# Altium PCB HLib-MBoard1.PcbDoc (part 2 of 2)
Units mil, origin at the board's own origin, x right, y up, seen from the top; angles counter-clockwise.
Board outline 4000.62 x 2451.24 mil, 2 copper layers (Top Layer, Bottom Layer), stack 65.792 mil thick; 130 components, 125 nets, 444 pads, 159 vias.
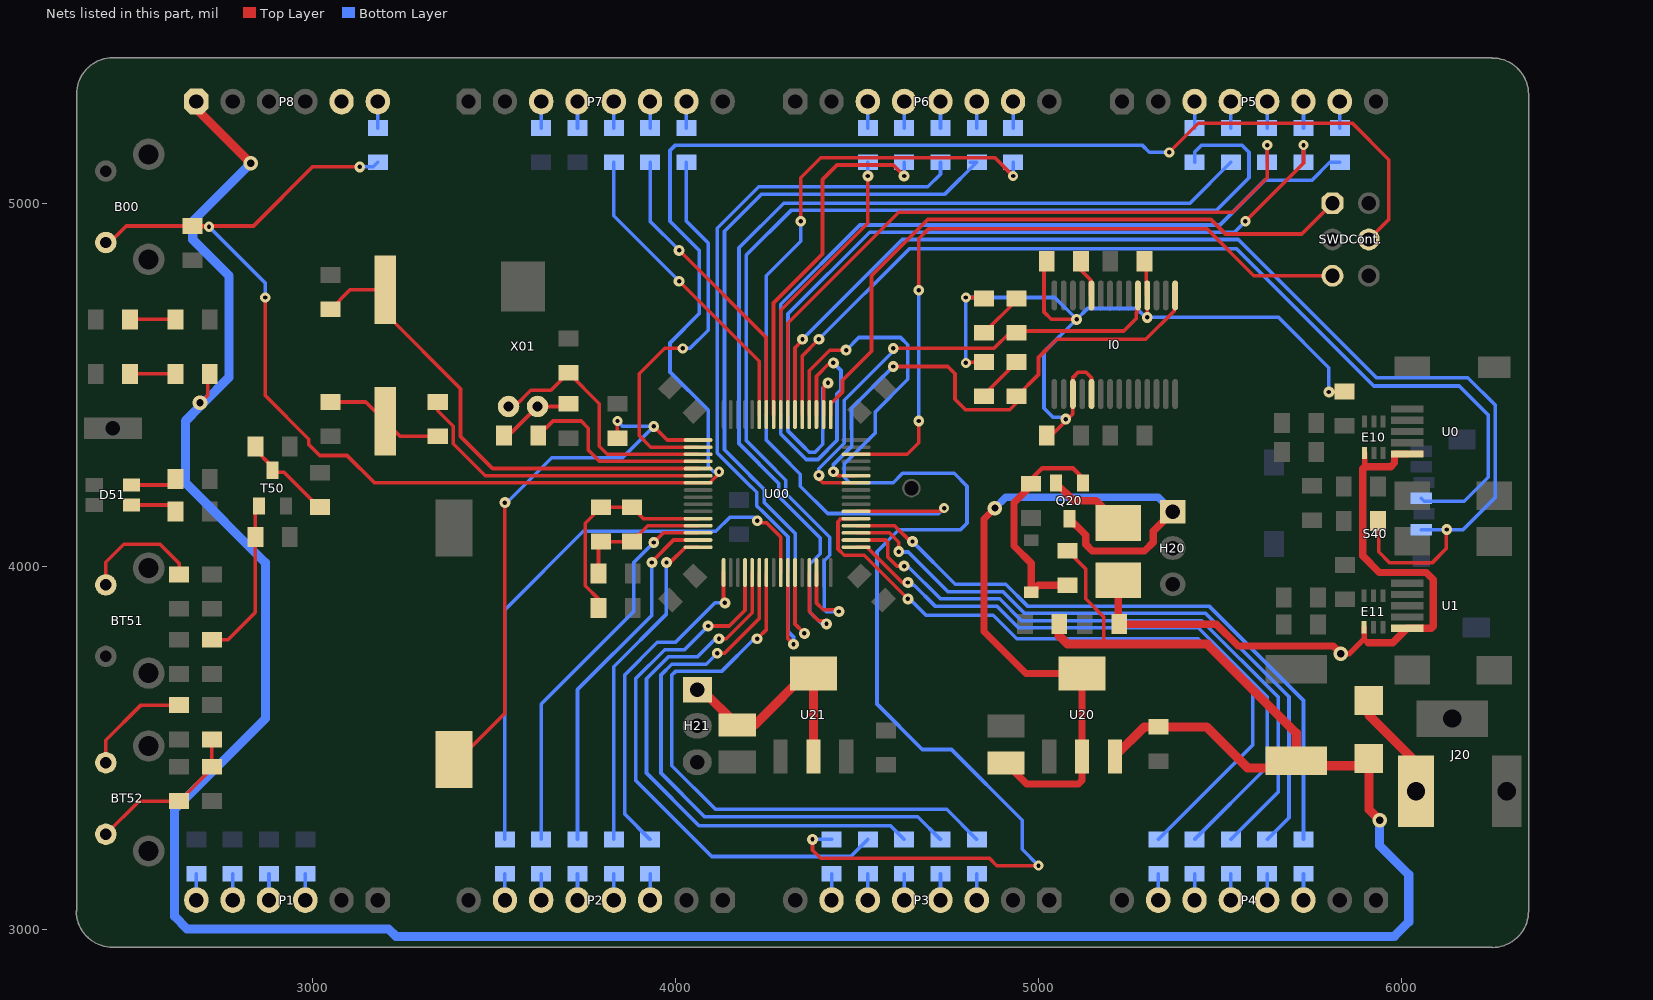
[diagram p2: the nets of this part, all layers, seen from the top]

## Via types
v1: diameter 28, hole 12, Top Layer to Bottom Layer, tented both sides, 80 vias
v2: diameter 30, hole 12, Top Layer to Bottom Layer, tented both sides, 59 vias
v3: diameter 40, hole 20, Top Layer to Bottom Layer, tented both sides, 10 vias
v4: diameter 196.85, hole 118.11, Top Layer to Bottom Layer, tented both sides, 4 vias
v5: diameter 47.24, hole 39.37, Top Layer to Bottom Layer, 4 vias
v6: diameter 70.87, hole 59.06, Top Layer to Bottom Layer, 1 vias
v7: diameter 59.06, hole 47.24, Top Layer to Bottom Layer, 1 vias

## Nets (pads, with @x,y where several pads share a name; then routed paths per layer and width w, separated by ;. In a path a pad name is that pad's centre, name@x,y a point inside that pad or via, vN(x,y) a via of type N, cw(c..) or ccw(c..) an arc to the next point about the centre after c; other vN are vias at no path point) (continued)
I2S_MCLK: R329.1 U00.37 | length 1948.7
  Top Layer w10: U00.37@4497.52,4131.1 4456.1,4131.1 4447.64,4122.64 4447.64,4047.36 4465,4030 4520,4030 v2(4640,3910)
  Bottom Layer w10: v2@4635.5,3905.5 4649.5,3905.5 4690,3865 4875,3865 4940,3800 5440,3800 5590,3650 5590,3507.24 R329.1@5330,3247.24
"IO1 (ADC)": R332.1 U00.25 | length 1618.6
  Top Layer w10: v1(4225,4125) 4230,4120 4250,4120 4289.84,4080.16 U00.25@4289.84,3982.48
  Bottom Layer w10: R332.1@3530,3247.24 3530,3880 3746,4096 4111,4096 4150,4135 4215,4135 v1(4225,4125)
"IO1 (ANTI-TAMPER)": R335.1 U00.2 | length 1073.1
  Top Layer w10: v1(4020,4600) 3970,4600 3900,4530 3900,4360 3932.05,4327.95 U00.2@4062.48,4327.95
  Bottom Layer w10: v1(4020,4600) 4040,4600 4090,4650 4090,4890 4030,4950 R335.1@4030,5112.76
"IO1 (P3)": R333.1 U00.52 | length 3447.3
  Top Layer w10: U00.52@4368.58,4417.52 4368.58,4538.58 4425,4595 v2(4470,4595) ; v2(4377.24,3247.24) 4377.24,3217.76 4400,3195 4865,3195 4885,3175 v1(5000,3175)
  Bottom Layer w10: v2(4377.24,3247.24) R333.1@4430,3247.24 ; v2(4470,4595) 4505,4630 4620,4630 4640,4610 4640,4515 4550,4425 4550,4366.72 4465,4281.72 4465,4245 4480,4230 4600,4230 4625.59,4255.59 4767.69,4255.59 4803,4220.28 4803,4118 4785,4100 4615,4100 4555,4040 4555,3620 4680,3495 4760.36,3495 4955,3300.36 4955,3220 v1(5000,3175)
"IO1 (P6)": R334.1 U00.38 | length 2273.9
  Top Layer w10: v1(4345,4950) 4345,5070 4400,5125 4880,5125 v1(4930,5075) ; U00.38@4497.52,4150.79 4730.79,4150.79 v1(4740,4160)
  Bottom Layer w10: v1(4345,4950) 4345,4895 4250,4800 4250,4347.72 4290,4307.72 4290,4307.38 4344,4253.38 4344,4220.29 4419.29,4145 4725,4145 v1(4740,4160) ; v1(4930,5075) R334.1@4930,5112.76
IO1/TM2_CH2: R314.1 U00.55 | length 1875.6
  Top Layer w10: U00.55@4309.53,4417.52 4309.53,4669.53 4615,4975 5535,4975 5630,5070 v1(5630,5160)
  Bottom Layer w10: R314.1@5630,5112.76 v1(5630,5160)
IO2/TM2_CH1: R315.1 U00.50 | length 2408.5
  Top Layer w10: U00.50@4407.95,4417.52 4407.95,4492.95 v2(4420,4505) ; v1(5570,4950) 5730,5110 v1(5730,5160)
  Bottom Layer w10: v2(4420,4505) 4406.01,4491.01 4406.01,4335.86 4384.15,4314 4368.23,4314 4350,4332.23 4350,4332.57 4310,4372.57 4310,4695 4535,4920 5540,4920 v1(5570,4950) ; R315.1@5730,5112.76 v1(5730,5160)
"IO3 (P5)": R330.1 U00.51 | length 2660
  Top Layer w10: U00.51@4388.27,4417.52 4388.27,4523.27 4425,4560 v2(4435,4560)
  Bottom Layer w10: v2(4435,4560) 4456,4539 4456,4485.99 4445,4474.99 4445,4346.57 4392.43,4294 4359.94,4294 4330,4323.94 4330,4324.29 4290,4364.29 4290,4721.87 4508.13,4940 5500,4940 5622.76,5062.76 5752.76,5062.76 5802.76,5112.76 R330.1@5830,5112.76
NetBt00_1: Bt00.1 C05.2 U00.1 | length 1561.4
  Top Layer w10: Bt00.1@3390,3466.93 3401.93,3466.93 3530,3595 v2(3530,4175) ; C05.2@3840,4352.76 v1(3840,4400) ; v2(3940,4385) 3977.36,4347.64 U00.1@4062.48,4347.64
  Bottom Layer w10: v2(3530,4175) 3535,4175 3659,4299 3854,4299 v2(3940,4385) 3855,4385 v1(3840,4400)
NetBT51_1: BT51.1 R512.2 | length 336.6
  Top Layer w10: BT51.1@2430.63,3948.43 2430.63,4010.63 2480,4060 2580,4060 2632.76,4007.24 R512.2@2632.76,3977.24
NetBT52_1: BT52.1 R510.2 | length 304.3
  Top Layer w10: BT52.1@2430.63,3458.43 2430.63,3520.63 2527.24,3617.24 R510.2@2632.76,3617.24
NetBT52_2: BT52.2 C53.2 R59.1 R511.1 | length 447.2
  Top Layer w10: BT52.2@2430.63,3261.57 2521.81,3352.76 C53.2@2632.76,3352.76 2722.76,3442.76 R59.1@2722.76,3447.24 R511.1@2722.76,3522.76
NetC09_2: C09.2 U00.5 X02.1 | length 1353.3
  Top Layer w10: C09.2@3050,4707.76 3103.35,4761.1 X02.1@3200,4761.1 3200,4696.46 3407.56,4488.9 3407.56,4357.44 3496.1,4268.9 U00.5@4062.48,4268.9
NetC010_2: C010.2 R00.1 X02.2 | length 334.1
  Top Layer w10: C010.2@3050,4452.24 3146.65,4452.24 X02.2@3200,4398.9 3241.14,4357.76 R00.1@3345,4357.76
NetC011_2: C011.2 R01.2 X01.1 | length 219.5
  Top Layer w10: R01.2@3527.76,4360 3540,4360 X01.1@3620,4440 3700,4440 C011.2@3710,4450
NetC012_2: C012.2 U00.3 X01.2 | length 722.9
  Top Layer w10: X01.2@3540,4440 3557.03,4440 3601.56,4484.53 3656.77,4484.53 C012.2@3705,4532.76 3790,4447.76 3790,4330 3811.73,4308.27 U00.3@4062.48,4308.27
NetC25_2: C25.2 D23.2 Q20.1 R20.1 | length 638.9
  Top Layer w10: C25.2@4980,4227.24 C25.2@4980,4240 ; Q20.1@5122.4,4229.21 Q20.1@5122.4,4242.6
  Top Layer w12: C25.2@4980,4240 5010,4270 5095,4270 Q20.1@5122.4,4242.6
  Top Layer w20: C25.2@4980,4227.24 4980,4221.97 4932.44,4174.41 4932.44,4055.69 4980,4008.13 D23.2@4980,3928.15 4999.61,3947.76 R20.1@5080,3947.76
NetD20_1: D20.1 J20.1 | length 303.8
  Top Layer w25: D20.1@5910,3629.92 5910,3590 6040,3460 J20.1@6040,3380
NetD24_1: D24.1 R21.1 | length 125.5
  Top Layer w10: D24.1@2497.24,4530 R21.1@2622.76,4530
NetD25_1: D25.1 R22.1 | length 125.5
  Top Layer w10: D25.1@2497.24,4680 R22.1@2622.76,4680
NetD51_1: D51.1 R52.2 | length 129.2
  Top Layer w10: D51.1@2501.18,4168.5 2604.25,4168.5 R52.2@2622.76,4150
NetD51_2: D51.2 R51.2 | length 128.4
  Top Layer w10: D51.2@2501.18,4223.62 2606.38,4223.62 R51.2@2622.76,4240
NetF20_2: F20.2 Q20.2 | length 217.7
  Top Layer w20: Q20.2@5048,4229 5097,4180 5158.74,4180 F20.2@5220,4118.74
NetI0_10: I0.10 R14.1 | length 106.1
  Top Layer w10: R14.1@5117.24,4840 5117.24,4814.83 5143.31,4788.77 5143.31,4748.54 I0.10@5146.02,4745.83
NetP1_3: P1.3 R30.2 | length 72.8
  Bottom Layer w10: P1.3@2980,3080 R30.2@2980,3152.76
NetP1_4: P1.4 R31.2 | length 72.8
  Bottom Layer w10: P1.4@2880,3080 R31.2@2880,3152.76
NetP1_5: P1.5 R32.2 | length 72.8
  Bottom Layer w10: P1.5@2780,3080 R32.2@2780,3152.76
NetP1_6: P1.6 R33.2 | length 72.8
  Bottom Layer w10: P1.6@2680,3080 R33.2@2680,3152.76
NetP2_3: P2.3 R34.2 | length 72.8
  Bottom Layer w10: P2.3@3930,3080 R34.2@3930,3152.76
NetP2_4: P2.4 R35.2 | length 72.8
  Bottom Layer w10: P2.4@3830,3080 R35.2@3830,3152.76
NetP2_5: P2.5 R36.2 | length 72.8
  Bottom Layer w10: P2.5@3730,3080 R36.2@3730,3152.76
NetP2_6: P2.6 R37.2 | length 72.8
  Bottom Layer w10: P2.6@3630,3080 R37.2@3630,3152.76
NetP2_7: P2.7 R332.2 | length 72.8
  Bottom Layer w10: P2.7@3530,3080 R332.2@3530,3152.76
NetP3_3: P3.3 R38.2 | length 72.8
  Bottom Layer w10: P3.3@4830,3080 R38.2@4830,3152.76
NetP3_4: P3.4 R39.2 | length 72.8
  Bottom Layer w10: P3.4@4730,3080 R39.2@4730,3152.76
NetP3_5: P3.5 R310.2 | length 72.8
  Bottom Layer w10: P3.5@4630,3080 R310.2@4630,3152.76
NetP3_6: P3.6 R311.2 | length 72.8
  Bottom Layer w10: P3.6@4530,3080 R311.2@4530,3152.76
NetP3_7: P3.7 R333.2 | length 72.8
  Bottom Layer w10: P3.7@4430,3080 R333.2@4430,3152.76
NetP4_3: P4.3 R316.2 | length 72.8
  Bottom Layer w10: P4.3@5730,3080 R316.2@5730,3152.76
NetP4_4: P4.4 R317.2 | length 72.8
  Bottom Layer w10: P4.4@5630,3080 R317.2@5630,3152.76
NetP4_5: P4.5 R318.2 | length 72.8
  Bottom Layer w10: P4.5@5530,3080 R318.2@5530,3152.76
NetP4_6: P4.6 R319.2 | length 72.8
  Bottom Layer w10: P4.6@5430,3080 R319.2@5430,3152.76
NetP4_7: P4.7 R329.2 | length 72.8
  Bottom Layer w10: P4.7@5330,3080 R329.2@5330,3152.76
NetP5_3: P5.3 R312.2 | length 72.8
  Bottom Layer w10: R312.2@5430,5207.24 P5.3@5430,5280
NetP5_4: P5.4 R313.2 | length 72.8
  Bottom Layer w10: R313.2@5530,5207.24 P5.4@5530,5280
NetP5_5: P5.5 R314.2 | length 72.8
  Bottom Layer w10: R314.2@5630,5207.24 P5.5@5630,5280
NetP5_6: P5.6 R315.2 | length 72.8
  Bottom Layer w10: R315.2@5730,5207.24 P5.6@5730,5280
NetP5_7: P5.7 R330.2 | length 72.8
  Bottom Layer w10: R330.2@5830,5207.24 P5.7@5830,5280
NetP6_3: P6.3 R320.2 | length 72.8
  Bottom Layer w10: R320.2@4530,5207.24 P6.3@4530,5280
NetP6_4: P6.4 R321.2 | length 72.8
  Bottom Layer w10: R321.2@4630,5207.24 P6.4@4630,5280
NetP6_5: P6.5 R322.2 | length 72.8
  Bottom Layer w10: R322.2@4730,5207.24 P6.5@4730,5280
NetP6_6: P6.6 R323.2 | length 72.8
  Bottom Layer w10: R323.2@4830,5207.24 P6.6@4830,5280
NetP6_7: P6.7 R334.2 | length 72.8
  Bottom Layer w10: R334.2@4930,5207.24 P6.7@4930,5280
NetP7_3: P7.3 R324.2 | length 72.8
  Bottom Layer w10: R324.2@3630,5207.24 P7.3@3630,5280
NetP7_4: P7.4 R325.2 | length 72.8
  Bottom Layer w10: R325.2@3730,5207.24 P7.4@3730,5280
NetP7_5: P7.5 R326.2 | length 72.8
  Bottom Layer w10: R326.2@3830,5207.24 P7.5@3830,5280
NetP7_6: P7.6 R327.2 | length 72.8
  Bottom Layer w10: R327.2@3930,5207.24 P7.6@3930,5280
NetP7_7: P7.7 R335.2 | length 72.8
  Bottom Layer w10: R335.2@4030,5207.24 P7.7@4030,5280
NetP8_6: P8.6 R328.2 | length 72.8
  Bottom Layer w10: R328.2@3180,5207.24 P8.6@3180,5280
NetR00_2: R00.2 U00.6 | length 843.9
  Top Layer w10: R00.2@3345,4452.24 3345,4428.18 3387.56,4385.62 3387.56,4337.44 3475.79,4249.21 4028.4,4249.21 U00.6@4062.48,4249.21
NetR01_1: R01.1 U00.4 | length 538.1
  Top Layer w10: R01.1@3622.24,4360 3662.24,4400 3740,4400 3760,4380 3760,4320 3791.42,4288.58 U00.4@4062.48,4288.58
NetR16_2: R16.2 Tx.2 | length 131.8
  Top Layer w10: Tx.2@4850,4642.76 4940,4732.76 R16.2@4940,4737.24
NetR17_2: R17.2 Rx.2 | length 131.8
  Top Layer w10: Rx.2@4850,4467.76 4850,4472.24 R17.2@4940,4562.24
NetR55_1: R55.1 R56.2 T50.1 | length 444.2
  Top Layer w10: R56.2@2722.76,3797.24 2767.24,3797.24 2842.6,3872.6 T50.1@2842.6,4165.79
NetR57_2: R57.2 R58.1 T50.3 | length 260.7
  Top Layer w10: R57.2@2832.76,4330 2895,4267.76 2895,4259.21 2920.79,4259.21 R58.1@3018.62,4161.38
NRST: B00.2 C08.2 R328.1 SWDCont..4 U00.7 | length 6116.4
  Top Layer w10: B00.2@2430.63,4891.57 2441.57,4891.57 2487.24,4937.24 C08.2@2670,4937.24 ; v1(2715,4935) 2672.24,4935 C08.2@2670,4937.24 ; v1(2870,4740) 2870,4470 2990,4350 2990,4335 3020,4305 3095,4305 3170.47,4229.53 U00.7@4062.48,4229.53 4094.53,4229.53 v1@4122.5,4257.5 ; v2(3130,5100) 3000,5100 2837.24,4937.24 C08.2@2670,4937.24 ; v1(5360,5140) 5440,5220 5865,5220 5965,5120 5965,4955 SWDCont..4@5910,4900
  Bottom Layer w10: v1(2715,4935) 2870,4780 v1(2870,4740) ; v2(3130,5100) 3167.24,5100 R328.1@3180,5112.76 ; v1(4120,4260) 4105,4260 4090,4275 4090,4430 3985,4535 3985,4615 4065,4695 4065,4870 3985,4950 3985,5145 4000,5160 5285,5160 5305,5140 v1(5360,5140)
RXD: I0.5 R16.1 U00.42 | length 1320.9
  Top Layer w10: v2@4395,4240 4405.47,4229.53 U00.42@4497.52,4229.53 ; v2(4600,4600) 4877.67,4600 4920.43,4642.76 R16.1@4940,4642.76 4945.04,4647.8 5235.22,4647.8 5269.57,4682.14 5269.57,4697.86 5271.26,4699.55 5271.26,4743.11 I0.5@5273.98,4745.83
  Bottom Layer w10: v2@4395,4240 4395,4268.28 4465,4338.28 4465,4457.43 4600,4592.43 v2(4600,4600)
  other v2: 4395,4250
SPI1_MISO: R39.1 U00.22 | length 1567.7
  Top Layer w10: v2@4125,3760 4135,3760 4230.79,3855.79 U00.22@4230.79,3982.48
  Bottom Layer w10: v2(4115,3760) 4085,3730 3990,3730 3960,3700 3960,3430 4080,3310 4667.24,3310 R39.1@4730,3247.24
SPI1_MOSI: R38.1 U00.23 | length 1643.4
  Top Layer w10: v2(4225,3800) 4250.47,3825.47 U00.23@4250.47,3982.48
  Bottom Layer w10: v2(4225,3800) 4216.62,3800 4126.62,3710 4000,3710 3990,3700 3990,3450 4110,3330 4747.24,3330 R38.1@4830,3247.24
SPI1_NSS/DAC_OUT1: R311.1 U00.20 | length 1510
  Top Layer w10: v2(4090,3835) 4147.87,3835 4191.42,3878.55 U00.20@4191.42,3982.48
  Bottom Layer w10: v2(4090,3835) 4025,3770 3970,3770 3890,3690 3890,3410 4100,3200 4482.76,3200 R311.1@4530,3247.24
SPI1_SCK/DAC_OUT2: R310.1 U00.21 | length 1523
  Top Layer w10: v2(4120,3800) 4139.74,3800 4211.1,3871.36 U00.21@4211.1,3982.48
  Bottom Layer w10: v2(4120,3800) 4110,3800 4060,3750 3980,3750 3920,3690 3920,3430 4065,3285 4592.24,3285 R310.1@4630,3247.24
SPI2_MISO: R317.1 U00.35 | length 1812.4
  Top Layer w10: U00.35@4497.52,4091.73 4589.27,4091.73 4615,4066 v2(4615,4040)
  Bottom Layer w10: v2(4615,4040) 4616,4039 4641,4039 4750,3930 4901.57,3930 4961.57,3870 5460,3870 5690,3640 5690,3307.24 R317.1@5630,3247.24
SPI2_MOSI/I2S2_SD: R316.1 U00.36 | length 1812.9
  Top Layer w10: U00.36@4497.52,4111.42 4603.58,4111.42 v2@4650,4065
  Bottom Layer w10: v2(4653,4068) 4771,3950 4909.85,3950 4969.85,3890 5470,3890 5730,3630 R316.1@5730,3247.24
SPI2_NSS/I2S2_WS: R319.1 U00.33 | length 1786.8
  Top Layer w10: U00.33@4497.52,4052.36 4527.64,4052.36 4625,3955 v2(4640,3955)
  Bottom Layer w10: v2@4630,3950 4632.5,3947.5 4657.5,3947.5 4715,3890 4885,3890 4945,3830 5440,3830 5630,3640 5630,3447.24 R319.1@5430,3247.24
SPI2_SCK/I2S2_CK: R318.1 U00.34 | length 1812.1
  Top Layer w10: U00.34@4497.52,4072.05 4578.95,4072.05 4585,4066 4585,4025 4610,4000 v2(4630,4000)
  Bottom Layer w10: v2(4630,4000) 4640,4000 4730,3910 4893.28,3910 4953.28,3850 5450,3850 5660,3640 5660,3377.24 R318.1@5530,3247.24
SWCLK: SWDCont..1 U00.49 | length 1815
  Top Layer w10: U00.49@4427.64,4417.52 4427.64,4447.64 4460,4480 4460,4512 4540,4592 4540,4800 4695,4955 5475,4955 5515,4915 5725,4915 SWDCont..1@5810,5000
SWDIO: SWDCont..5 U00.46 | length 1952.9
  Top Layer w10: U00.46@4497.52,4308.27 4638.27,4308.27 4670,4340 v2(4670,4400) ; v2(4670,4760) 4670,4901.72 4698.28,4930 5463.13,4930 5593.13,4800 SWDCont..5@5810,4800
  Bottom Layer w10: v2(4670,4400) v2(4670,4760)
TM3_CH1: R320.1 U00.56 | length 794.7
  Top Layer w10: U00.56@4289.84,4417.52 4289.84,4704.84 4530,4945 v2(4530,5075)
  Bottom Layer w10: v2(4530,5075) R320.1@4530,5112.76
TM3_CH2: R321.1 U00.57 | length 995.2
  Top Layer w10: U00.57@4270.16,4417.52 4270,4417.68 4270,4725 4405,4860 4405,5065 4445,5105 4600,5105 v2(4630,5075)
  Bottom Layer w10: v2(4630,5075) R321.1@4630,5112.76
TM3_CH3: R322.1 U00.26 | length 2147.2
  Top Layer w10: U00.26@4309.53,3982.48 4309.53,3800.47 v2(4325,3785)
  Bottom Layer w10: v2(4325,3785) 4325,3805 4310,3820 4310,4081.01 4237.01,4154 4236,4154 4224,4166 4224,4203.67 4208.77,4218.9 4208.12,4218.9 4115,4312.02 4115,4930.71 4229.29,5045 4695,5045 4730,5080 R322.1@4730,5112.76
TM3_CH4: R323.1 U00.27 | length 2168.3
  Top Layer w10: U00.27@4329.21,3982.48 4329.21,3840.79 v2(4355,3815)
  Bottom Layer w10: v2(4355,3815) 4330,3840 4330,4090.15 4244,4176.15 4244,4211.95 4217.06,4238.9 4216.4,4238.9 4190,4265.3 4190,4265.95 4158.53,4297.43 4158.28,4297.43 4135,4320.71 4135,4922.43 4237.57,5025 4742.24,5025 R323.1@4830,5112.76 R323.1@4812.76,5112.76
TM4_CH1: R327.1 U00.58 | length 828
  Top Layer w10: v2(4010,4870) 4250.47,4629.53 U00.58@4250.47,4417.52
  Bottom Layer w10: R327.1@3930,5112.76 3930,4950 v2(4010,4870)
TM4_CH2: R326.1 U00.59 | length 843.6
  Top Layer w10: 4022.5,4772.5 4230.79,4564.21 U00.59@4230.79,4417.52
  Bottom Layer w10: R326.1@3830,5112.76 3830,4965 v2(4010,4785)
TXD: I0.1 R17.1 U00.43 | length 1484.8
  Top Layer w10: v2(4435,4260) 4445.79,4249.21 U00.43@4497.52,4249.21 ; v2(4600,4550) 4750,4550 4770,4530 4770,4460 4798.9,4431.1 4921.1,4431.1 4940,4450 R17.1@4940,4467.76 5000,4527.76 5000,4575 5050,4625 5295.73,4625 5373.62,4702.89 5373.62,4743.11 I0.1@5376.34,4745.83
  Bottom Layer w10: v2(4435,4260) 4435,4280 4486,4331 4486,4375.7 4485,4376.7 4485,4435 v2(4600,4550)
US2_CTS/TM5_CH4: R37.1 U00.14 | length 1079.7
  Top Layer w10: v2(3940,4065) 3966.73,4091.73 U00.14@4062.48,4091.73
  Bottom Layer w10: R37.1@3630,3247.24 3630,3620 3885,3875 3885,4010 v2(3940,4065)
US2_RTS/TM5_CH3: R36.1 U00.15 | length 1002.3
  Top Layer w10: v2(3935,4010) 3935,4012.43 3994.62,4072.05 U00.15@4062.48,4072.05
  Bottom Layer w10: R36.1@3730,3247.24 3730,3660 3935,3865 v2(3935,4010)
US2_RX/TM5_CH1: R34.1 U00.17 | length 925.2
  Top Layer w10: U00.17@4132.36,3982.48 4132.36,3902.64 v2(4136,3899)
  Bottom Layer w10: R34.1@3930,3247.24 3860,3317.24 3860,3700 3950,3790 4000,3790 4109,3899 v2(4136,3899)
US2_TX/TM5_CH2: R35.1 U00.16 | length 927.8
  Top Layer w10: v2(3975,4010) 3985,4010 4027.36,4052.36 U00.16@4062.48,4052.36
  Bottom Layer w10: R35.1@3830,3247.24 3830,3723.28 3975,3868.28 v2(3975,4010)
US3_RX/I2C2_SDA/TM2_CH4: R312.1 U00.30 | length 3012.9
  Top Layer w10: U00.30@4388.27,3982.48 4388.27,3898.73 4407,3880 4445,3880 v2(4450,3875)
  Bottom Layer w10: v2(4450,3875) 4415,3875 4410,3880 4410,4015 4425,4030 4425,4080 4304,4201 4304,4236.81 4250,4290.81 4250,4291.15 4195,4346.15 4195,4857 4318,4980 5490,4980 5580,5070 5580,5140 5560,5160 5450,5160 5430,5140 R312.1@5430,5112.76
US3_TX/I2C2_SCL/TM2_CH3: R313.1 U00.29 | length 2788
  Top Layer w10: U00.29@4368.58,3982.48 4368.58,3875.42 4394,3850 v2@4415,3850
  Bottom Layer w10: v2@4415,3850 4405,3840 4404,3840 4370,3874 4370,4005 4399,4034 4399,4077.72 4284,4192.72 4284,4228.52 4233.62,4278.9 4232.97,4278.9 4230,4281.87 4230,4282.87 4175,4337.87 4175,4876.87 4298.13,5000 5417.24,5000 R313.1@5530,5112.76
  other v2: 4416,3841
USD_CLK: S40.5 U00.53 | length 2749.9
  Top Layer w10: U00.53@4348.9,4417.52 4348.9,4578.9 v2(4395,4625)
  Bottom Layer w10: v2(4395,4625) 4644,4874 5546,4874 5923.76,4496.24 6159.03,4496.24 6238.8,4416.47 6238.8,4244.97 6172.83,4179 6062.42,4179 S40.5@6054.19,4187.23
USD_CMD: R42.1 S40.3 U00.54 | length 3279.6
  Top Layer w10: U00.54@4329.21,4417.52 4329.21,4601.64 4350,4622.43 v2(4350,4625) ; R42.1@5937.08,4128 5937.08,4039.76 5967.83,4009 6084,4009 6122.83,4047.83 6122.83,4099 v2(6124.83,4101)
  Bottom Layer w10: v2(4350,4625) 4625,4900 5550,4900 5931,4519 6182.83,4519 6258.8,4443.03 6258.8,4189.97 6169.45,4100.61 S40.3@6054.19,4100.61
V_3V: C24.2 H21.1 U21.2 U21.4 | length 675.8
  Top Layer w25: H21.1@4060,3660 4072.36,3660 C24.2@4170,3562.36 4218.19,3562.36 4380,3724.17 U21.2@4380,3475.83
V_5V: C22.2 H20.1 Q20.3 U20.2 U20.4 | length 2120.8
  Top Layer w20: v3(4880,4160) 4850,4130 4850,3820 4965.83,3704.17 U20.4@5120,3704.17 U20.2@5120,3475.83 5120,3410 5110,3400 4967.64,3400 C22.2@4910,3457.64 ; Q20.3@5085,4130.79 5130,4085.79 5130,4060 5148.01,4041.99 5291.99,4041.99 5316,4066 5316,4096 H20.1@5370,4150
  Bottom Layer w20: v3(4880,4160) 4910,4190 5330,4190 H20.1@5370,4150
VDDA: C06.2 C07.2 F00.1 U00.13 | length 376.3
  Top Layer w10: F00.1@3787.76,3980 3787.76,4060.51 C07.2@3795,4067.76 C06.2@3880,4067.76 3923.66,4111.42 U00.13@4062.48,4111.42
VEF+(RFU): P8.5
VIN: C20.1 C21.2 D20.2 P8.1 R20.2 R21.2 R23.2 U20.3 | length 8636
  Top Layer w10: v3(2690,4450) 2711,4471 2711,4523.76 R21.2@2717.24,4530 ; R20.2@5080,4042.24 5130,3992.24 5130,3910 5180,3860 5180,3785
  Top Layer w25: P8.1@2680,5280 2680,5260 v3(2830,5110) ; R23.2@5057.24,3840 5057.24,3807.76 5080,3785 5180,3785 5465,3785 5710,3540 C20.1@5710,3464.02 ; U20.3@5210.55,3475.83 5291.97,3557.24 C21.2@5330,3557.24 5462.76,3557.24 5575.98,3444.02 5690,3444.02 C20.1@5710,3464.02 ; v3(5940,3300) 5910,3330 5910,3450.08 5723.94,3450.08 C20.1@5710,3464.02
  Bottom Layer w25: v3(2830,5110) 2670,4950 2670,4900 2770,4800 2770,4520 2700,4450 v3(2690,4450) 2690,4440 2650,4400 2650,4230 2870,4010 2870,3580 2620,3330 2620,3035 2654,3001 3209,3001 3230,2980 5980,2980 6020,3020 6020,3150 5940,3230 v3(5940,3300)
VO_33: C12.1 C14.2 I0.4 I0.17 I0.19 R13.2 R14.2 Rx.1 Tx.1 | length 2556.9
  Top Layer w10: v1(4800,4560) 4802.24,4562.24 Rx.1@4850,4562.24 ; v1(4800,4740) 4847.24,4740 Tx.1@4850,4737.24 ; C12.1@5022.76,4360 5035,4360 5094.84,4419.84 I0.17@5094.84,4474.17 5094.84,4519.84 5108.98,4533.98 5131.02,4533.98 5146.02,4518.98 I0.19@5146.02,4474.17 ; R14.2@5022.76,4840 5015,4832.24 5015,4700 5035,4680 v2(5105,4680) ; C14.2@5296.85,4840 5296.85,4748.54 I0.4@5299.57,4745.83 v2(5299.57,4685.43) ; v2(5800,4480) 5801.24,4481.24 R13.2@5842.83,4481.24
  Bottom Layer w10: v1(4800,4560) v1(4800,4740) 5045,4740 v2(5105,4680) ; v2(5075,4405) 5075,4410 5040,4410 5015,4435 5015,4590 v2(5105,4680) ; v2(5800,4480) 5800,4546.83 5661.4,4685.43 v2(5299.57,4685.43) 5294.57,4685.43 5270,4710 5135,4710 v2(5105,4680)
VSSA: C06.1 C07.1 R09.2 U00.12 | length 591
  Top Layer w10: R09.2@3787.76,3885 3787.76,3909.57 3751.1,3946.23 3751.1,4118.35 C07.1@3795,4162.24 C06.1@3880,4162.24 3911.14,4131.1 U00.12@4062.48,4131.1
VUSB0: C15.2 E10.4 E11.4 F20.1 U0.1 U1.1 | length 1876.2
  Top Layer w15: v3(5832.83,3759) 5856.65,3759 5897.24,3799.59 ; E11.4@5897.24,3831.69 5897.24,3799.59 ; 5898.24,4273.59 E10.4@5898.24,4311.69 ; 5907.83,3789 5897.24,3799.59
  Top Layer w20: F20.1@5220,3961.26 5220,3842.24 C15.2@5222.24,3840 5490,3840 5550,3780 5811.83,3780 v3(5832.83,3759) ; 5907.83,3789 5975.83,3789 U1.1@6015.83,3829 6082.83,3829 6087.79,3833.95 6087.79,3963.47 6068.41,3982.84 5938.99,3982.84 5893.43,4028.41 5893.43,4268.77 5898.24,4273.59 5970.43,4273.59 5980.83,4284 5980.83,4309 U0.1@6015.83,4309
pads on no net: B00.3 B00.4 BT51.3 BT51.4 BT52.3 BT52.4 E10.3 E10.5 E11.3 E11.5 I0.2 I0.3 I0.6 I0.8 I0.9 I0.11 I0.12 I0.13 I0.14 I0.21 I0.24 I0.27 I0.28 J20.3 S40.1 S40.2 S40.8 SWDCont..6 U0.4 U1.4
copper on no net:
  other v4: 2450,3050 6250,3050 2450,5300 6250,5300
  other v5: 6131.41,3804.39 6131.41,3977.61 6131.41,4284.39 6131.41,4457.61
  other v6: 3390,3642.52
  other v7: 3390,3937.8

## Polygon pours and split planes (outlines as drawn)
GND on Top Layer "Top" (solid, remove dead copper, pour order 2): 2350,5400 6350,5400 6350,2950 5550,2950 5550,3720 5440,3830 5420,3830 4690,3830 4635,3775 4610,3750 4610,3530 4610,3505 4980,3135 4985,3130 5545,3130 5550,3130 5550,2950 2350,2950
GND on Top Layer "PwrTop" (solid, remove dead copper, pour order 10): 4550,3600 4550,3690 4750,3890 4850,3890 4850,3820 4890,3780 5370,3780 5470,3780 5520,3730 5600,3650 5600,3590 5600,3500 5560,3460 5540,3460 5530,3450 5530,3190 5530,3170 5510,3150 5500,3140 5020,3140
GND on Bottom Layer "Bot" (solid, remove dead copper, pour order 12): 2350,5400 6350,5400 6350,2950 5550,2950 5550,3420 5670,3540 5670,3650 5500,3820 5490,3830 4945,3830 4940,3830 4850,3920 4690,3920 4510,3740 4510,3600 4670,3440 5060,3050 5100,3050 5550,3050 5550,2950 2350,2950
GND on Bottom Layer "PwrBot" (solid, pour order 16): 4570,3710 4710,3850 4840,3850 4870,3820 4920,3770 4980,3770 5440,3770 5570,3640 5570,3520 5540,3490 5370,3320 5320,3320 5300,3320 5270,3290 5270,3160 5250,3140 5050,3140 5030,3160 4980,3210 4980,3300 4760,3520 4750,3530 4680,3530 4670,3530 4570,3630

## Keep-outs
Keep-Out Layer:
  lines w11.81: 2349.38,3049.88 ccw(c2449.45,3050.07) 2450,2950 6250.12,2950 ; 2350,3049.88 2350,5300 cw(c2450.07,5300.55) 2449.88,5400.62 ; 2449.88,5400 6249.38,5400 ; 6249.38,5399.88 cw(c6249.93,5299.81) 6350,5300 6350,5205 6350,4595 6350,3050 cw(c6249.93,3049.45) 6250.12,2949.38

## Silkscreen, mask and mechanical layers (free items; w line width, h text height)
Top Overlay:
  drawing of 39504 lines, arcs and shapes, not listed
  text "Vin" at 2700,5120 h50 r90
  text "5V" at 2800,5120 h50 r90
  text "RFU" at 3100,5120 h50 r90
  text "nRst" at 3200,5120 h50 r90
  text "TX" at 3650,5080 h60 r90
  text "RX" at 3750,5080 h60 r90
  text "PB7" at 3850,5080 h60 r90
  text "PB6" at 3950,5080 h60 r90
  text "PC13" at 4050,5080 h60 r90
  text "5V" at 4150,5080 h60 r90
  text "CH1" at 4550,5080 h60 r90
  text "CH2" at 4650,5080 h60 r90
  text "CH3" at 4750,5080 h60 r90
  text "CH4" at 4850,5080 h60 r90
  text "PC7" at 4950,5080 h60 r90
  text "5V" at 5050,5080 h60 r90
  text "SDA" at 5450,5080 h60 r90
  text "SCL" at 5550,5080 h60 r90
  text "PB3" at 5650,5080 h60 r90
  text "PA15" at 5750,5080 h60 r90
  text "PC13" at 5850,5080 h60 r90
  text "5V" at 5950,5080 h60 r90
  text "Power" at 3050,5060 h60
  text "33" at 3610,5020 h50
  text "32" at 3710,5020 h50
  text "31" at 3810,5020 h50
  text "30" at 3910,5020 h50
  text "29" at 4010,5020 h50
  text "28" at 4510,5020 h50
  text "27" at 4610,5020 h50
  text "26" at 4710,5020 h50
  text "25" at 4810,5020 h50
  text "24" at 4910,5020 h50
  text "23" at 5410,5020 h50
  text "22" at 5510,5020 h50
  text "21" at 5610,5020 h50
  text "20" at 5680,5020 h50
  text "RESET" at 2600,5000 h60
  text "19" at 5680,4960 h50
  text "uniCAN (I2C, TM4)" at 3610,4950 h60
  text "uniTM3" at 4510,4950 h60
  text "uniI2C2" at 5410,4950 h60
  text "(splUS3," at 5410,4890 h60
  text "TM2)" at 5410,4830 h60
  text "MBoard - 1" at 3910,4820 h100
  text "rev1.1" at 4460,4820 h50
  text "SWCLK" at 5460,4750 h50
  text "3V3" at 5630,4750 h50
  text "3V3" at 2400,4730 h60
  text "HLib" at 4040,4700 h80
  text "GND" at 5460,4700 h50
  text "nRst" at 5630,4700 h50
  text "SWD" at 5760,4690 h60
  text "An Arm-based" at 3958.6,4653.6 h50
  text "SWIO" at 5460,4650 h50
  text "NC" at 5630,4650 h50
  text "cont." at 5760,4640 h60
  text "Hardware Library" at 3960,4610 h50
  text "CSE" at 4390,4610 h80
  text "Vin" at 2402.76,4580 h60
  text "UsrBtn0" at 2820,3810 h60
  text "UsrBtn1" at 2820,3410 h60
  text "uniUS2 (ADC, TIM5)" at 3480,3370 h60
  text "uniSPI1 (ADC, DAC)" at 4380,3370 h60
  text "uniSPI2 (I2S)" at 5280,3370 h60
  text "stdADC" at 2790,3320 h60
  text "4" at 3510,3310 h50
  text "5" at 3610,3310 h50
  text "6" at 3710,3310 h50
  text "7" at 3810,3310 h50
  text "8" at 3910,3310 h50
  text "9" at 4410,3310 h50
  text "10" at 4510,3310 h50
  text "11" at 4610,3310 h50
  text "12" at 4700,3310 h50
  text "13" at 4800,3310 h50
  text "14" at 5310,3310 h50
  text "15" at 5410,3310 h50
  text "16" at 5510,3310 h50
  text "17" at 5610,3310 h50
  text "18" at 5700,3310 h50
  text "0" at 2670,3260 h50
  text "1" at 2770,3260 h50
  text "2" at 2870,3260 h50
  text "3" at 2970,3260 h50
  text "5V" at 3450,3150 h60 r90
  text "PC5" at 3550,3150 h60 r90
  text "CTS" at 3650,3150 h60 r90
  text "RTS" at 3750,3150 h60 r90
  text "TX" at 3850,3150 h60 r90
  text "RX" at 3950,3150 h60 r90
  text "5V" at 4350,3150 h60 r90
  text "PC11" at 4450,3150 h60 r90
  text "NSS" at 4550,3150 h60 r90
  text "SCK" at 4650,3150 h60 r90
  text "MISO" at 4750,3150 h60 r90
  text "MOSI" at 4850,3150 h60 r90
  text "5V" at 5250,3150 h60 r90
  text "PC6" at 5350,3150 h60 r90
  text "NSS" at 5450,3150 h60 r90
  text "SCK" at 5550,3150 h60 r90
  text "MISO" at 5650,3150 h60 r90
  text "MOSI" at 5750,3150 h60 r90
  text "In10" at 2700,3140 h50 r90
  text "In11" at 2800,3140 h50 r90
  text "In12" at 2900,3140 h50 r90
  text "In13" at 3000,3140 h50 r90
Bottom Overlay:
  lines w8: 2380,4650 3480,4650 ; 2630,3330 3230,3330 ; 2630,5030 3230,5030 ; 2740,4210 3480,4210 ; 3380,3330 4180,3330 ; 3380,5030 4180,5030 ; 4280,3330 5080,3330 ; 4280,5030 5080,5030 ; 5180,3330 5980,3330 ; 5180,5030 5750,5030 ; 5610,4840 5750,4840 ; 5740,4830 5750,4840 ; 5740,4850 5750,4840 ; 5769.36,4852.57 cw(c5753.13,4854.89) 5760,4840 5750,4840 ; 5770,4855 5770,5035 ; 5770.64,5037.43 cw(c5786.87,5035.11) 5780,5050 5980,5050 ; 5970,5040 5980,5050 ; 5970,5060 5980,5050
  text "Vin" at 2690,5010 h60 r90
  text "5V" at 2800,5010 h60 r90
  text "3V3" at 2900,5010 h60 r90
  text "GND" at 3000,5010 h60 r90
  text "RFU" at 3100,5010 h60 r90
  text "nRst" at 3200,5010 h60 r90
  text "3V3" at 3440,5010 h60 r90
  text "GND" at 3550,5010 h60 r90
  text "PB9" at 3650,5010 h60 r90
  text "PB8" at 3750,5010 h60 r90
  text "PB7" at 3850,5010 h60 r90
  text "PB6" at 3950,5010 h60 r90
  text "PC13" at 4050,5010 h60 r90
  text "5V" at 4150,5010 h60 r90
  text "3V3" at 4340,5010 h60 r90
  text "GND" at 4450,5010 h60 r90
  text "PB4" at 4550,5010 h60 r90
  text "PB5" at 4650,5010 h60 r90
  text "PB0" at 4750,5010 h60 r90
  text "PB1" at 4850,5010 h60 r90
  text "PC7" at 4950,5010 h60 r90
  text "5V" at 5050,5010 h60 r90
  text "3V3" at 5240,5010 h60 r90
  text "GND" at 5350,5010 h60 r90
  text "PB11" at 5450,5010 h60 r90
  text "PB10" at 5550,5010 h60 r90
  text "PB3" at 5650,5010 h60 r90
  text "PA15" at 5750,5010 h60 r90
  text "RESET" at 2560,4980 h60
  text "PC10" at 5650,4820 h60 r90
  text "5V" at 5750,4820 h60 r90
  text "Notes" at 3480,4670 h60
  text "In one port, there are many functions." at 3480,4590 h60
  text "For example, P2 can act as a uni US2 cont.," at 3480,4530 h60
  text "a uni ADC cont., or a uni TM5 cont.,..." at 3480,4470 h60
  text "(USB<->US1)" at 5960,4400 h50
  text "Programming" at 6290,4400 h50
  text "Some functions can be used as AFs," at 3480,4390 h60
  text "others must be remapped." at 3480,4330 h60
  text "GND" at 2520,4300 h60
  text "Abbreviations" at 3480,4230 h60
  text "5V" at 5430,4230 h60
  text "Btn : Button," at 3020,4140 h60
  text "US : USART," at 3480,4140 h60
  text "5V +" at 5290,4130 h60
  text "Usr : User," at 3020,4080 h60
  text "TM : Timer," at 3480,4080 h60
  text "5V -" at 5290,4030 h60
  text "SWD : Serial wire debug," at 3480,4020 h60
  text "uni : universal," at 3020,3960 h60
  text "std : standard," at 3480,3960 h60
  text "GND" at 5290,3930 h60
  text "cont : connector," at 3480,3900 h60
  text "UsrBtn0" at 2600,3840 h60
  text "RFU : reserved for future use," at 3480,3840 h60
  text "Native USB" at 6290,3750 h50
  text "3V3" at 4120,3740 h60
  text "3V3 +" at 3980,3640 h60
  text "3V3 -" at 3980,3540 h60
  text "GND" at 3980,3440 h60
  text "PC0" at 2660,3350 h60 r270
  text "PC1" at 2760,3350 h60 r270
  text "PC2" at 2860,3350 h60 r270
  text "PC3" at 2960,3350 h60 r270
  text "GND" at 3060,3350 h60 r270
  text "3V3" at 3170,3350 h60 r270
  text "5V" at 3410,3350 h60 r270
  text "PC5" at 3510,3350 h60 r270
  text "PA0" at 3610,3350 h60 r270
  text "PA1" at 3710,3350 h60 r270
  text "PA2" at 3810,3350 h60 r270
  text "PA3" at 3980,3350 h60
  text "GND" at 4120,3350 h60
  text "3V3" at 4140,3350 h60 r270
  text "5V" at 4310,3350 h60 r270
  text "PC11" at 4410,3350 h60 r270
  text "PA4" at 4510,3350 h60 r270
  text "PA5" at 4610,3350 h60 r270
  text "PA6" at 4710,3350 h60 r270
  text "PA7" at 4810,3350 h60 r270
  text "GND" at 4910,3350 h60 r270
  text "3V3" at 5020,3350 h60 r270
  text "5V" at 5210,3350 h60 r270
  text "PC6" at 5310,3350 h60 r270
  text "PB12" at 5410,3350 h60 r270
  text "PB13" at 5510,3350 h60 r270
  text "PB14" at 5610,3350 h60 r270
  text "PB15" at 5710,3350 h60 r270
  text "GND" at 5810,3350 h60 r270
  text "3V3" at 5920,3350 h60 r270
  text "UsrBtn1" at 2600,3340 h60

## Dimensions
2449.88,5400 to 2450,2950 on Keep-Out Layer
2350,3049.88 to 6350,3050 on Keep-Out Layer